# Altium PCB BB.PcbDoc (part 3 of 5) (continued)
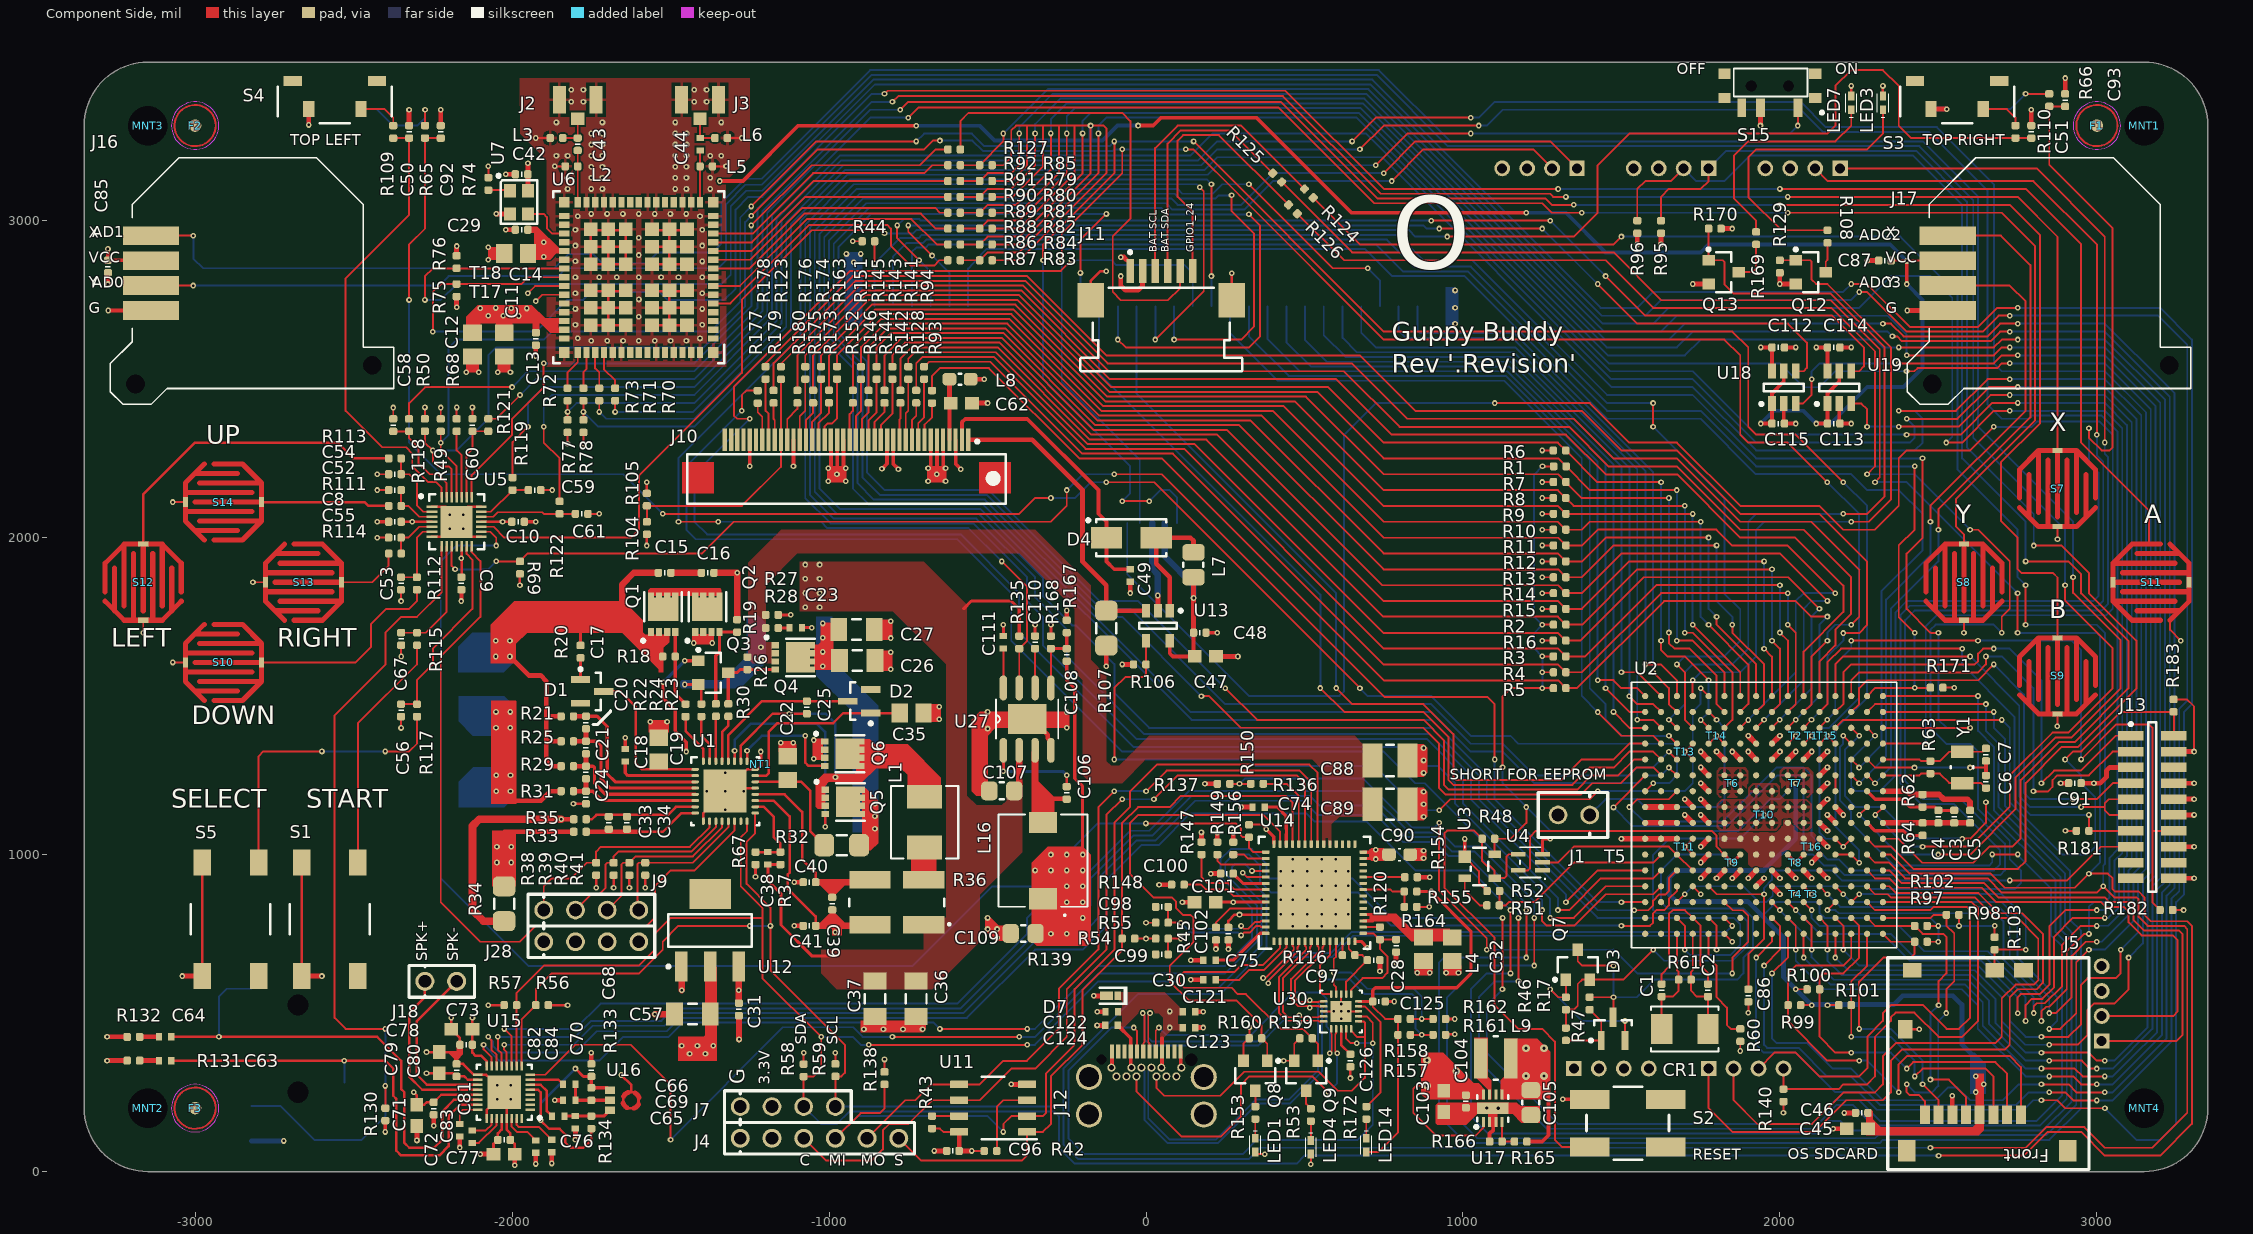
[diagram p0: Component Side view]
## Nets (pads, with @x,y where several pads share a name; then routed paths per layer and width w, separated by ;. In a path a pad name is that pad's centre, name@x,y a point inside that pad or via, vN(x,y) a via of type N, cw(c..) or ccw(c..) an arc to the next point about the centre after c; other vN are vias at no path point) (continued)
  Component Side w10: v1(-1523.52,1543.52) -1523.52,1493.76 -1485.16,1455.39 -1485.16,1389.68 -1450.33,1354.85 v1(-1450.33,1325) ; v1(-1455.63,1611.42) Q3.1@-1412.32,1611.42 ; NT1.1@-1215,1289.72 v1(-1215,1325) ; R27.2@-1160.35,1756.34 v1(-1120.83,1756.34) ; C23.1@-1085.32,1716.07 v1(-1054.69,1716.07) ; C111.1@-450,1689.37 v1(-450,1725) ; C110.1@-350,1689.37 v1(-350,1725) ; R168.2@-300,1689.37 v1(-300,1725) ; U3.1@1005.51,992.54 v1(1005.51,1049.41) ; U4.3@1251,1001.18 1251,1045 1256,1050 v1(1275,1050)
  Component Side w12: v1(-3275,2800) C85.1@-3275,2835.63 ; v1(-3274.02,2716.55) J16.4@-3139.75,2716.55 ; v1(-2425,2050) C8.1@-2389.37,2050 ; v1(-2160,1800) C9.1@-2160,1835.63 ; C10.1@-1961.38,2050 v1(-1925.75,2050) ; v1(-1250,2225) J10.36@-1250,2309.06 ; v1(-1112.2,2225) J10.29@-1112.2,2309.06 ; -994.09,2225 J10.23@-994.09,2309.06 ; -974.41,2225 J10.22@-974.41,2309.06 ; -954.72,2225 J10.21@-954.72,2309.06 ; v1(-833.05,2216.95) -816.93,2233.07 J10.14@-816.93,2309.06 ; J10.13@-797.24,2309.06 -797.24,2232.24 v1(-781.12,2216.12) ; -679.13,2225 J10.7@-679.13,2309.06 ; -659.45,2225 J10.6@-659.45,2309.06 ; -639.76,2225 J10.5@-639.76,2309.06 ; J10.3@-600.39,2309.06 -600.39,2232.24 v1(-584.27,2216.12) ; J12.B12@-107.17,327.64 J12.A1@-107.17,379.21 ; J12.B1@109.37,327.64 J12.A12@109.37,379.21 ; C48.1@189.29,1700 v1(224.72,1700) ; R166.2@1084.06,94.61 1084.06,119.65 1095.87,131.46 1095.87,148.23 ; v1(1315,227.97) S2.3@1400,227.97 ; C115.1@2012.28,2361.97 U18.2@2012.28,2422.64 ; C115.1@2014.25,2360 v1(2049.88,2360) ; C112.1@2014.37,2600 v1(2050,2600) ; U19.2@2187.4,2422.64 2187.4,2361.97 C113.1@2189.37,2360 v1(2225,2360) ; C114.1@2189.37,2600 v1(2225,2600)
  Component Side w15: v1(-3277.95,350) R131.2@-3214.37,350 ; v1(-3277.95,425) R132.2@-3214.37,425 ; v1(-3040.75,616.73) S5.4@-2977.17,616.73 ; S1.4@-2663.58,616.73 v1(-2600,616.73) ; v1(-2641.73,3301.97) S4.2@-2641.73,3351.97 ; C50.1@-2325,3300 v1(-2325,3350) ; v1(-2300.16,98.2) C71.1@-2300.16,143.77 ; v1(-2247.34,144.07) C72.1@-2247.34,179.07 ; C92.1@-2225,3300 v1(-2225,3350) ; v1(-2175,2726.44) R75.2@-2175,2760.63 ; R76.2@-2175,2889.37 v1(-2175,2920) ; v1(-2165,75.63) C83.1@-2165,110.63 ; v1(-2050,3021.44) U7.2@-2007.09,3021.44 ; v1(-2020,2971.44) C29.1@-1989.37,2971.44 ; v1(-2020,3146.44) C42.1@-1989.37,3146.44 ; v1(-1991.71,20) C77.1@-1991.71,55 ; v1(-1925,23.94) C82.1@-1925,58.94 ; v1(-1925,2572.87) C13.1@-1925,2607.07 ; v1(-1875,25.63) C84.1@-1875,60.63 ; v1(-1865,224.84) C69.2@-1839.37,224.84 ; v1(-1844.96,1111.42) R35.1@-1805.43,1111.42 ; v1(-1800,100.63) C70.2@-1800,135.63 ; C68.1@-1750,339.37 v1(-1750,374.37) ; v1(-668.31,65) C96.1@-628.94,65 ; C62.1@-545.28,2424.67 v1(-500,2424.67) ; v1(-425,275) U11.4@-375,275 ; U27.9@-327.5,1395 -310,1377.5 -310,1367.5 -300,1357.5 U27.4@-300,1329.07 ; v1(-164.69,554.21) D7.2@-124.76,554.21 ; v1(-154.45,461.06) C124.1@-128.82,461.06 ; v1(-153.74,504.21) C122.1@-128.11,504.21 ; v1(-125.08,1593.78) R107.2@-125.08,1659.25 ; v1(-80,2825.2) -80,2794.79 -65.31,2780.1 -24.9,2780.1 -10.71,2794.29 J11.2@-10.71,2841.54 ; v1(-75.08,1600) R106.2@-50.08,1600 ; v1(-50.08,1825) C49.1@-50.08,1860.63 ; R106.2@-40,1600 R106.2@-39.45,1600 ; U13.2@37.52,1769.49 v1(37.52,1817.4) ; v1(41.26,905.1) R148.1@80.63,905.1 ; v1(115,850) 152.95,850 C101.1@153.07,850.08 ; v1(141.26,604.77) C30.1@180.63,604.77 ; v1(141.26,667.01) C75.1@180.63,667.01 ; C123.1@155.31,454.21 v1(180.94,454.21) ; C121.1@155.31,504.21 v1(180.94,504.21) ; v1(185.91,1223.27) R137.1@225.28,1223.27 ; v1@208.07,940 C100.1@235.63,940 ; v1(220.63,702.01) R45.1@220.63,730.63 ; C47.1@224.72,1625 v1(290.2,1625) ; R149.1@225,1039.58 v1(225,1070) ; v1(260,702.01) C102.1@260,730.63 ; R156.1@275.35,1039.58 v1(275.35,1070) ; v1(300,1150) C74.1@335.63,1150 ; v1(737.95,631.57) C97.1@737.95,667.01 ; v1(789.13,657.17) C28.1@789.13,692.6 ; R154.2@856.06,928.6 v1(895.43,928.6) ; v1(1724.8,2800.2) Q13.2@1775,2800.2 ; R170.2@1814.37,2975 v1(1850,2975) ; v1(1938.5,3300) S15.2@1938.5,3356.7 ; R129.2@1999.8,2835.63 v1(1999.8,2800.2) Q12.2@2050,2800.2 ; v1(2167.87,135) C45.1@2210.94,135 ; v1(2202.87,185) C46.1@2238.5,185 ; v1(2275.98,2874.02) C87.1@2311.61,2874.02 ; v1(2401.55,2716.55) J17.4@2529.55,2716.55 ; S3.2@2476.38,3351.97 v1(2526.38,3351.97) ; J5.6@2543.7,179.17 v1(2543.7,239.17) ; C51.1@2793.11,3300 v1(2793.11,3350) ; v1(2885.33,1225.33) C91.1@2910.63,1225.33 ; C93.1@2900,3400 v1(2900,3450) ; J13.20@3242.91,925 v1(3306.75,925) ; J13.16@3242.91,1025 v1(3306.75,1025) ; J13.12@3242.91,1125 v1(3306.75,1125) ; J13.10@3242.91,1175 v1(3306.75,1175) ; J13.8@3242.91,1225 v1(3306.75,1225) ; J13.4@3242.91,1325 v1(3306.75,1325)
  Component Side w18: v1(1700,1125) U2.N9@1725,1100 ; v1(1700,1175) U2.N8@1725,1150 ; v1(1750,925) U2.M12@1775,950 ; v1(1750,975) U2.M11@1775,1000 ; v1(1750,1025) U2.M10@1775,1050 ; v1(1750,1125) U2.M9@1775,1100 ; v1(1750,1175) U2.M8@1775,1150 ; v1(1750,1225) U2.M7@1775,1200 ; v1(1750,1275) U2.M6@1775,1250 ; v1(1750,1325) U2.M5@1775,1300 ; v1(1800,925) U2.L12@1825,950 ; v1(1800,1325) U2.L5@1825,1300 ; v1(1850,925) U2.K12@1875,950 ; v1(1850,1325) U2.K5@1875,1300 ; v1(1900,925) U2.J12@1925,950 ; v1(1900,1325) U2.J5@1925,1300 ; v1(1900,1375) U2.J4@1925,1350 ; U2.J13@1925,900 v1(1950,925) ; U2.H13@1975,900 v1(2000,875) ; U2.H12@1975,950 v1(2000,925) ; U2.H5@1975,1300 v1(2000,1325) ; U2.H4@1975,1350 v1(2000,1375) ; U2.G12@2025,950 v1(2050,925) ; U2.G5@2025,1300 v1(2050,1325) ; U2.F12@2075,950 v1(2100,925) ; U2.F5@2075,1300 v1(2100,1325) ; v1(2100,975) U2.E11@2125,1000 ; U2.E12@2125,950 v1(2150,925) ; U2.E10@2125,1050 v1(2150,1025) ; U2.E9@2125,1100 v1(2150,1075) ; U2.E8@2125,1150 v1(2150,1175) ; U2.E7@2125,1200 v1(2150,1225) ; U2.E6@2125,1250 v1(2150,1275) ; U2.E5@2125,1300 v1(2150,1325) ; v1(2150,1125) U2.D9@2175,1100 ; U2.D8@2175,1150 v1(2200,1125)
  Component Side w20: v1(-1549.67,496.65) C57.1@-1487.2,496.65 ; v1(-1465,571.65) U12.1@-1465,646.1 ; v1(-1283.9,416.81) C31.1@-1283.9,491.26
  Component Side w25: R34.2@-2025.18,789.76 -2089.76,789.76 -2125,825 -2125,1090.06 -2103.64,1111.42 v1(-1844.96,1111.42)
  Solder Side w10: v1(-1523.52,1543.52) v1(-1455.63,1611.42)
  Solder Side w15: J19.1@-2822.64,96.46 v1(-2720.83,96.46) ; v1(-2641.73,3301.97) S6.1@-2641.73,3351.97 ; S16.1@2476.38,3351.97 v1(2526.38,3351.97)
  Solder Side w20: J8.3@19.68,2046.26 19.68,1901.48 37.52,1883.65 v1(37.52,1817.4)
  other v1: -890,448.54 -828.33,448.54 -766.67,448.54 -705,448.86 615.32,481.38 946.61,627.64 985.98,627.64 -470,737.5 -500,765 -470,765 -500,800 204.13,940 875.75,988.9 875.75,1012.52 875.75,1119.76 875.75,1159.13 875.75,1198.5 875.75,1257.56 875.75,1296.93 -1048.15,1302.36 875.75,1336.3 -1048.15,1361.42 -500,1397.5 -250,1400 -500,1450 -250,1450 -1002.46,2177.5 -947.44,2177.48 -632.48,2177.48 -687.5,2177.5 -974.96,2200 -660,2200 -1002.46,2219.33 -947.44,2219.33 -687.5,2219.33 -632.48,2219.33 -2145,2521.44 -2105.12,2521.44 -2045,2521.44 -2005.12,2521.44 -1750,2621.44 -1700,2621.44 -1650,2621.44 -1600,2621.44 -1550,2621.44 -1500,2621.11 -1450,2621.11 -1792.91,2628.85 -1407.09,2628.52 -1800,2671.44 -1400,2671.44 -1600,2696.44 -1800,2721.44 -1400,2721.44 -1599.9,2751.44 -1800,2771.44 -1400,2771.44 -1725,2821.44 -1670,2821.34 -1600,2821.44 -1475,2821.44 -1400,2821.44 -1800,2821.54 -1530,2821.54 -921.95,2868.63 -1400,2871.44 -1800,2871.54 -2075,2876.56 -1600.1,2891.44 -945,2895.04 -900,2895.04 -2075,2916.44 -1400,2921.44 -1800,2921.54 -1600,2946.44 -1400,2971.44 -1800,2971.54 -1792.91,3014.12 -1407.09,3014.35 -1750.33,3021.21 -1700.33,3021.21 -1650.33,3021.21 -1600.33,3021.21 -1550.33,3021.21 -1500.33,3021.21 -1450.33,3021.21 -1825,3100 -1750,3100 -1715,3100 -1485,3100 -1450,3100 -1375,3100 -1825,3135 -1750,3135 -1715,3135 -1485,3135 -1450,3135 -1375,3135 -1750,3170 -1715,3170 -1485,3170 -1450,3170 -1860,3205 -1825,3205 -1750,3205 -1715,3205 -1485,3205 -1450,3205 -1375,3205 -1340,3205 -1750,3240 -1715,3240 -1485,3240 -1450,3240 -1750,3275 -1715,3275 -1485,3275 -1450,3275 -1860,3310 -1715,3310 -1485,3310 -1340,3310 -1813.5,3375 -1775,3375 -1425,3375 -1386.5,3375 -1813.5,3413.5 -1775,3413.5 -1425,3413.5 -1386.5,3413.5
  other v2: 463.35,773.31 508.62,773.31 553.9,773.31 599.17,773.31 424.96,811.69 463.35,811.69 508.62,811.69 553.9,811.69 599.17,811.69 637.56,811.69 424.96,856.97 463.35,856.97 508.62,856.97 553.9,856.97 599.17,856.97 637.56,856.97 424.96,902.24 463.35,902.24 508.62,902.24 553.9,902.24 599.17,902.24 637.56,902.24 424.96,947.52 463.35,947.52 508.62,947.52 553.9,947.52 599.17,947.52 637.56,947.52 463.35,985.91 508.62,985.91 553.9,985.91 599.17,985.91
  other v3: 1075,200 1111.22,199.61
  other v5: -2046.83,228.51 -2003.52,228.51 -2046.83,271.81 -2003.52,271.81
  other v6: -2196.65,2028.35 -2153.35,2028.35 -2196.65,2071.65 -2153.35,2071.65
GPIO0: J6.17 U2.T4 | length 2687.8
  Component Side w6: v1(600,1525.39) 650.73,1474.67 875.41,1474.67 970,1380.08 970,1244.43 979.43,1235 1310,1235 1375.33,1300.33 1475,1300.33 1524.66,1350 U2.T4@1575,1350
  Solder Side w6: J6.17@-29.63,2730 -29.63,2454.63 600,1825 v1(600,1525.39)
GPIO1: J6.18 U2.P5 | length 6119.9
  Component Side w6: v1(-88.68,2625) -63.68,2600 325,2600 360,2635 360,2984.7 v1(324.7,3020) ; v1(1650,1324.67) U2.P5@1675,1299.67
  Solder Side w6: v1@-88.68,2623.6 v1(-88.68,2625) J6.18@-88.68,2730 ; v1(324.7,3020) 68.35,3020 48.35,3040 -872.75,3040 -985.2,2927.55 -985.2,2638.71 -895,2548.51 -895,2190 -840,2135 -502.72,2135 -142.72,1775 -49.93,1775 250.07,1475 900,1475 1025.33,1349.67 1125.04,1349.67 1224.7,1250 1525,1250 1550,1275 1600.33,1275 v1(1650,1324.67)
GPIO2: J6.19 U2.R5 | length 2828.4
  Component Side w6: v1(550,1525.39) 625.39,1450 875,1450 955,1370 955,1234.43 969.43,1220 1345,1220 1399.67,1274.67 1475,1274.67 1525.33,1325 1600,1325 U2.R5@1625,1300
  Solder Side w6: J6.19@-147.74,2730 -147.74,2517.74 550,1820 v1(550,1525.39)
GPIO3: J6.20 U2.T5 | length 4954.1
  Component Side w6: v1(-206.79,2835.16) -206.79,2939.18 v1(-124.76,3021.21) ; v1(250,1525) 350.33,1424.67 875.77,1424.67 940,1360.43 940,1220 955.08,1204.92 1360.26,1204.92 1405.33,1250 1490,1250 1540,1300 U2.T5@1575,1300
  Solder Side w6: J6.20@-206.79,2730 v1(-206.79,2835.16) ; v1(-124.76,3021.21) -866.54,3021.21 -970,2917.75 -970,2645 -880,2555 -880,2205.08 -825,2150.08 -496.31,2150.08 -146.23,1800 -25,1800 v1(250,1525)
GPIO4: J22.1 U2.P6 | length 6397.9
  Component Side w6: v1(750,3150) 850,3250 1275,3250 J22.1@1360,3165 ; v1(1650,1274.67) U2.P6@1675,1249.67
  Solder Side w6: v1(750,3150) 400,3150 300,3050 100,3050 80,3070 -892.59,3070 -1015.2,2947.4 -1015.2,2626.28 -925,2536.08 -925,2155 -875,2105 -515.15,2105 139.85,1450 900,1450 1025,1325 1125.15,1325 1224.7,1225.44 1550.78,1225.44 1575.33,1250 1625.33,1250 v1(1650,1274.67)
GPIO5: J22.2 U2.R6 | length 6313.9
  Component Side w6: v1(175,1500) 199.37,1500 299.26,1400.11 875.24,1400.11 925,1350.35 925,1210 944.84,1190.16 1372.74,1190.16 1407.58,1225 1498.35,1225 1548.35,1275 1600,1275 U2.R6@1625,1250 ; v1(775,3125) 874.9,3224.9 1221.36,3224.9 J22.2@1281.26,3165
  Solder Side w6: v1(175,1500) -75,1750 -138.27,1750 -508.27,2120 -858.42,2120 -910,2171.57 -910,2542.96 -999.72,2632.69 -999.72,2937.87 -882.59,3055 63.33,3055 83.33,3035 310,3035 400,3125 v1(775,3125)
GPIO6: J23.1 U2.T6 | length 5475.3
  Component Side w6: v1(1475,1148.74) 1475,1150 U2.T6@1575,1250 ; J23.1@2190,3165 2809.67,3165 3025,2949.67 v1(3025,2300.17)
  Solder Side w6: v1(1475,1148.74) 1533.74,1090 1832.12,1090 1992.12,1250 2060,1250 2074.33,1235.67 2074.33,1010.67 2085,1000 2105,1000 2140.05,964.95 2175.08,964.95 2205.03,935 2695,935 2710,950 2710,1034.8 2570.12,1174.69 2451.72,1174.69 2395,1231.41 2395,1740 2425.08,1770.08 3015.08,1770.08 3035,1790 3035,2255 3025,2265 v1(3025,2300.17)
GPIO7: J23.2 U2.P7 | length 5454.8
  Component Side w6: v1(1525,1150) 1549.59,1174.59 1649.59,1174.59 U2.P7@1675,1200 ; J23.2@2111.26,3165 2151.26,3125 2800,3125 3000,2925 v1(3000,2325)
  Solder Side w6: v1(1525,1150) 1570,1105 1818.94,1105 1989.27,1275.33 2074.33,1275.33 2099.67,1250 2099.67,1060 2125,1034.67 2125,1009.98 2149.98,985 2185.31,985 2220.31,950 2675,950 2695,970 2695,1014.14 2550,1159.14 2446.31,1159.14 2380,1225.44 2380,1755 2410,1785 3004.67,1785 3020,1800.33 3020,2240 3000,2260 v1(3000,2325)
GPIO_INT_N: R69.2 U2.T14 U5.10 | length 4719.8
  Component Side w6: U5.10@-2190.75,1972.24 -2190.75,1910.75 v1(-2180,1900) ; v1@-2050,1925 R69.2@-1975.18,1925 -1950.18,1950 -1400,1950 -1300,2050 -300.37,2050 -250.08,2100.3 v1(-250.08,2150.08) ; v1(-100.16,2200) 49.75,2200 752.04,1497.72 1076.54,1497.72 1100,1474.25 v1(1100,1300.02) ; v1(1500,850) U2.T14@1575,850
  Solder Side w6: v1(-2180,1900) -2075,1900 v1(-2049.95,1925.05) ; v1(-250.08,2150.08) -200.16,2200 v1(-100.16,2200) ; v1(1100,1300.02) 1100,1174.89 1424.89,850 v1(1500,850)
HIDRV: Q5.4 U1.27 | length 723.7
  Component Side w8: U1.27@-1298.15,1294.49 v1(-1298.15,1327.95) ; v1(-1012.13,1088.19) Q5.4@-1012.13,1128.15
  Solder Side w8: v1(-1298.15,1327.95) -1298.15,1361.85 -1247.58,1412.42 -1037.42,1412.42 -1012.13,1387.13 v1(-1012.13,1088.19)
HP_DETECT_N: J19.4 R130.2 U5.8 | length 2674
  Component Side w6: R130.2@-2400,200 v1(-2400,270) ; v1(-2400,450) -2525,450 -2560,485 -2560,1439.69 -2400,1599.69 -2400,1700.31 -2350.31,1750 -2300,1750 -2222.24,1827.76 U5.8@-2222.24,1972.24
  Solder Side w6: J19.4@-2822.64,206.69 -2730.53,206.69 -2623.84,100 -2475,100 -2400,175 v1(-2400,270) v1(-2400,450)
HSRN: C39.1 C41.1 R36.4 U1.19 | length 513.7
  Component Side w8: U1.19@-1233.19,1170.47 -1175,1170.47 -1124.68,1120.16 -1124.68,942.68 -1130.83,936.54 -1130.83,893.39 -1042.13,804.69 C41.1@-1042.13,775.12
  other v1: -980,755.43
HSRP: C39.2 C40.1 R36.3 U1.20 | length 410.8
  Component Side w8: U1.20@-1233.19,1190.16 -1140.31,1190.16 -1085,1134.84 -1085,985 -1042.13,942.13 C40.1@-1042.13,912.91
I2C0_SCL: J6.21 J8.4 R50.2 U2.C10 U2.D10 U5.26 | length 8672.1
  Component Side w6: R50.2@-2275,2335.63 -2275,2300 v1(-2250,2275) -2249,2274 -2249,2240 -2234,2225 -2200,2225 -2190.75,2215.75 U5.26@-2190.75,2127.76 ; v1(-1245,3015.66) -1035.76,3224.9 -700.1,3224.9 -672.28,3252.72 v1(-650,3252.72) ; v1(-265.85,2875) -265.85,2958.87 -74.78,3149.95 v1(-74.78,3224.9) ; v1(125,3225) 149.73,3225 295,3079.73 295,3080 750,2625 1425,2625 1825,2625 1875,2575 1875,2325 1900,2300 2024.67,2300 v1(2149.67,2175) ; U2.D10@2175,1050 v1(2200,1025) U2.C10@2225,1050
  Solder Side w6: v1(-2250,2275) -2175,2275 -2075,2375 -2075,2575.31 -2050.32,2600 -1395.2,2600 -1265,2730.2 -1265,2995.66 v1(-1245,3015.66) ; v1(-650,3252.72) -547.72,3252.72 -515,3220 -104.98,3220 -100.08,3224.9 v1(-74.78,3224.9) -74.68,3225 v1(125,3225) ; v1(-265.85,2875) J6.21@-265.85,2730 -265.85,2491.17 -19.69,2245.01 J8.4@-19.69,2046.26 ; 2124.67,1070 2144.67,1050 2175,1050 v1(2200,1025) ; 2125,1070 2125,1390 2135,1400 2155.03,1400 2250,1494.97 2250,2074.67 v1(2149.67,2175)
I2C0_SDA: J6.22 J8.1 R49.2 U2.C11 U2.D11 U5.25 | length 9008.1
  Component Side w6: R49.2@-2225,2335.32 v1(-2225,2299.67) -2225,2275 -2175,2225 U5.25@-2175,2127.76 ; v1(-1245,3045) -1040,3250 v1(-725,3250) ; v1(-324.9,2875) -324.9,2925.1 -100,3150 v1@-100,3250 ; v1(-74.78,2115) v1(10,2115) ; v1(150,3250) 750,2650 1425,2650 1850,2650 1900,2600 1900,2350 1925,2325 2050,2325 v1(2200,2175) ; U2.D11@2175,1000 2224.41,1000 v1(2250,974.41)
  Solder Side w6: v1(-2225,2299.67) -2200.28,2324.39 -2200.28,2599.72 -2175,2625 -1900,2625 -1875,2650 -1374.68,2650 -1280,2744.69 -1280,3010 v1(-1245,3045) ; v1(-725,3250) -700.08,3274.92 -549.57,3274.92 -509.65,3235 -115.08,3235 v1(-100.08,3250) v1(150,3250) ; v1(-324.9,2875) J6.22@-324.9,2730 -324.9,2500.22 -50.08,2225.4 -50.08,2139.7 v1(-74.78,2115) ; v1(10,2115) 45.08,2150.08 74.92,2150.08 98.43,2126.57 J8.1@98.43,2046.26 ; v1(2200,2175) 2275,2100 2275,1495 2175.08,1395.08 2175.08,1089.35 2192.01,1072.42 2250,1014.43 v1(2250,974.41)
I2C2_SCL: J21.1 R95.2 U2.B10 | length 4268.3
  Component Side w6: R95.2@1625,3000 1625,3075 1650,3100 1750,3100 1775,3125 J21.1@1775,3165 ; U2.B10@2275,1050 2300,1025 2351.18,1025 2421.18,955 2750.59,955 2775,979.41 2775,1225.35 2889.65,1340 2941.02,1340 3125,1523.98 3125,1675 2975,1825 2975,1889.25 2889.25,1975 v1(2800.75,1975)
  Solder Side w6: J21.1@1775,3165 1830,3220 2430,3220 2590,3060 2590,2285.3 2800.75,2074.55 v1(2800.75,1975)
I2C2_SDA: J21.2 R96.2 U2.A10 | length 4228.5
  Component Side w6: R96.2@1550,3000 1550,3100 1575,3125 1656.26,3125 J21.2@1696.26,3165 ; U2.A10@2325,1050 2373.09,1050 2448.84,974.25 2609.59,974.25 2660.33,1025 2732.5,1025 2759.67,1052.17 2759.67,1235 2879.67,1355 2930.16,1355 3099.33,1524.17 3099.33,1674.67 2950,1824 2950,1885 2910,1925 v1(2775,1925)
  Solder Side w6: J21.2@1696.26,3165 1736.26,3125 1825,3125 1905,3205 2420,3205 2575,3050 2575,2249.73 2775,2049.73 v1(2775,1925)
I2C_USB_IRQ_N: R150.2 U5.16 U14.43 | length 4279.6
  Component Side w6: U5.16@-2097.24,2018.5 -2068.5,2018.5 -2050,2000 v1(-2050,1975) ; v1(-0.08,1098.27) 282.8,1098.27 300,1081.06 300,1060 305,1055 R150.2@325,1055 325,1020.91 338.35,1007.56 U14.43@377.72,1007.56
  Solder Side w6: v1(-2050,1975) -2175.6,1975 -2225,1925.6 -2225,925 -1948.11,648.11 -736.89,648.11 -485.36,899.64 -318.91,899.64 -275,943.54 -275,959.37 -259.37,975 -239.8,975 -226,988.8 -226,1024 -151.73,1098.27 v1(-0.08,1098.27)
LCD_AC_BIAS_EN: R123.1 U2.E1 | length 4285.4
  Component Side w6: R123.1@-1151.57,2539.37 -1151.57,2548.8 -905.1,2795.28 -387.31,2795.28 -117.04,2525 624.56,2525 799.95,2349.61 1335.39,2349.61 1460.74,2224.26 1675.89,2224.26 1875.15,2025 2075,2025 2224.67,1875.33 2224.67,1759.21 2175.24,1709.78 2175.24,1660.28 2125,1610.04 U2.E1@2125,1500
LCD_DATA0: R5.2 R93.1 U2.G3 | length 3836.8
  Component Side w6: R93.1@-675,2464.04 -675,2510 -650,2535 -495.62,2535 -210.62,2250 49.56,2250 749.99,1549.57 1300.43,1549.57 R5.2@1325,1525 1359.67,1525 1634.67,1800 2050.1,1800 2099.05,1751.05 v1(2149.96,1751.05) ; U2.G3@2024.67,1400 v1(2049.67,1425)
  Solder Side w6: v1(2049.67,1425) 2124.67,1500 2124.67,1725.75 v1(2149.96,1751.05)
LCD_DATA1: R4.2 R94.1 U2.G2 | length 3636.3
  Component Side w6: R94.1@-700,2539.37 -684.37,2555 -490.62,2555 -200.62,2265 84.56,2265 749.22,1600.34 1299.81,1600.34 R4.2@1325,1575.15 1375.28,1575.15 1624.97,1824.84 v1(2024.98,1824.84) ; U2.G2@2025,1450 2050,1475 2050,1699.5 2024.98,1724.52 v1(2024.98,1724.83)
  Solder Side w6: v1(2024.98,1724.83) v1(2024.98,1824.84)
LCD_DATA2: R3.2 R128.1 U2.G1 | length 3663.6
  Component Side w6: R128.1@-725,2464.37 -725,2550 -705,2570 -480.63,2570 -190.62,2280 120.01,2280 750.01,1650 1299.9,1650 R3.2@1324.57,1625.33 1385.52,1625.33 1610.19,1850 v1(1999.98,1850) ; v1(1999.98,1700.46) 2025,1675.44 U2.G1@2025,1500
  Solder Side w6: v1(1999.98,1700.46) v1(1999.98,1850)
LCD_DATA3: R16.1 R141.1 U2.H3 | length 3847.5
  Component Side w6: R141.1@-750,2539.37 -750,2565 -730,2585 -474.41,2585 -184.41,2295 153.53,2295 749.54,1699 1300.57,1699 R16.1@1324.57,1675 1370,1675 1570,1875 2025.71,1875 v1(2124.67,1776.05) ; U2.H3@1974.67,1400 v1(1999.67,1425)
  Solder Side w6: v1(1999.67,1425) 2100,1525.33 2100,1751.38 v1(2124.67,1776.05)
LCD_DATA4: R2.2 R142.1 U2.H2 | length 3770.6
  Component Side w6: R142.1@-775,2464.37 -775,2564.8 -739.57,2600.24 -468.1,2600.24 -176.92,2309.06 190.8,2309.06 748.8,1751.05 1299.27,1751.05 R2.2@1325,1725.32 1375.64,1725.32 1550.32,1900 v1(1975,1900) ; U2.H2@1975,1450 2000,1475 2000,1650 v1(1975,1675)
  Solder Side w6: v1(1975,1675) v1(1975,1900)
LCD_DATA5: R15.1 R143.1 U2.H1 | length 3647.7
  Component Side w6: R143.1@-800.24,2539.37 -800.24,2574.72 -759.96,2615 -461.99,2615 -171.99,2325 224.75,2325 749.75,1800 1300,1800 R15.1@1325,1775 1375.28,1775 1525.28,1925 v1(1950,1925) ; v1(1950,1649.67) 1975,1624.67 U2.H1@1975,1500
  Solder Side w6: v1(1950,1649.67) v1(1950,1925)
LCD_DATA6: R14.1 R144.1 U2.J3 | length 4078.7
  Component Side w6: R144.1@-825,2464.37 -825,2575.24 -770.24,2630 -455.77,2630 -165.77,2340 254.91,2340 745.28,1849.64 1300.2,1849.64 R14.1@1325,1824.84 1375.12,1824.84 1499.97,1949.69 2000.65,1949.69 v1(2150,1800.33) ; U2.J3@1925,1400 v1(1950,1425)
  Solder Side w6: v1(1950,1425) 2075.08,1550.08 2075.08,1775.75 2099.67,1800.33 v1(2150,1800.33)
LCD_DATA7: R13.1 R145.1 U2.J2 | length 3687.7
  Component Side w6: R145.1@-850,2539.37 -850,2600 -805,2645 -449.56,2645 -159.56,2355 294.34,2355 749.54,1899.8 1300.2,1899.8 R13.1@1325,1875 1374.84,1875 1475.27,1975.43 v1(1800,1975.43) ; v1(1850,1724.83) 1850,1700 1950,1600 1950,1475 U2.J2@1925,1450
  Solder Side w6: v1(1800,1975.43) 1800,1800 1850,1750 v1(1850,1724.83)
LCD_DATA8: R12.1 R146.1 U2.J1 | length 3708.5
  Component Side w6: R146.1@-875,2464.37 -875,2600 -815,2660 -443.35,2660 -153.35,2370 329.56,2370 749.56,1950 1299.57,1950 R12.1@1324.57,1925 1375.64,1925 1450.93,2000.3 v1(1775,2000.3) ; v1(1800,1750) 1800,1725.32 1925,1600.32 U2.J1@1925,1500
  Solder Side w6: v1(1775,2000.3) 1775,1775 v1(1800,1750)
LCD_DATA9: R11.1 R151.1 U2.K3 | length 4168.2
  Component Side w6: R151.1@-899.13,2539.37 -899.13,2600.87 -825,2675 -437.13,2675 -147.13,2385 364.56,2385 749.89,1999.67 1300.77,1999.67 R11.1@1325,1975.43 1375.72,1975.43 1425.72,2025.43 1799.57,2025.43 1850,1975 2024.84,1975 v1(2175,1824.84) ; U2.K3@1875,1399.67 v1(1900,1424.67)
  Solder Side w6: v1(1900,1424.67) 2050,1574.67 2050,1800.33 2074.5,1824.84 v1(2175,1824.84)
LCD_DATA10: R10.1 R152.1 U2.K2 | length 3806.5
  Component Side w6: R152.1@-925,2464.37 -925,2600 -835,2690 -430.92,2690 -140.92,2400 399.56,2400 749.56,2050 1299.57,2050 R10.1@1324.57,2025 1374.84,2025 1399.84,2050 v1(1750,2050) ; v1(1775,1724.83) 1900.41,1599.42 1900.41,1475.41 U2.K2@1875,1450
  Solder Side w6: v1(1750,2050) 1750,1749.83 v1(1775,1724.83)
LCD_DATA11: R9.1 R163.1 U2.K1 | length 3687
  Component Side w6: R163.1@-975,2539.7 -975,2575.3 -845.3,2705 -424.71,2705 -134.71,2415 434.56,2415 749.26,2100.3 1299.84,2100.3 R9.1@1325,2075.14 1325.47,2074.67 v1(1724.64,2074.67) ; v1(1724.64,1725) 1875,1574.64 U2.K1@1875,1500
  Solder Side w6: v1(1724.64,1725) v1(1724.64,2074.67)
LCD_DATA12: R8.1 R173.1 U2.L3 | length 3914.3
  Component Side w6: R173.1@-1000,2464.7 -1000,2574.78 -854.78,2720 -418.49,2720 -128.49,2430 469.56,2430 749.56,2150 1299.57,2150 R8.1@1324.57,2125 1349.27,2100.3 v1(1700,2100.3) ; v1(1700,1700) 1725,1700 1850,1575 1850,1425 U2.L3@1825,1400
  Solder Side w6: v1(1700,1700) v1(1700,2100.3)
LCD_DATA13: R7.1 R174.1 U2.L2 | length 3805
  Component Side w6: R174.1@-1025,2539.7 -1025,2575.34 -865.33,2735 -412.28,2735 -122.28,2445 504.56,2445 749.56,2200 1300.33,2200 R7.1@1325,2175.33 1375.33,2125 v1(1650,2125) ; v1(1650,1700.46) 1650,1667.11 1667.44,1649.67 1715.33,1649.67 1800,1565 1800,1475 U2.L2@1825,1450
  Solder Side w6: v1(1650,1700.46) v1(1650,2125)
LCD_DATA14: R1.2 R175.1 U2.L1 | length 3897.7
  Component Side w6: R175.1@-1050,2464.7 -1050,2575.37 -875.37,2750 -406.07,2750 -116.07,2460 539.56,2460 749.56,2250 1300.47,2250 R1.2@1325.47,2225 1400.47,2150 v1(1674.8,2150) ; v1(1674.8,1675) 1724.64,1675 1825,1574.64 U2.L1@1825,1500
  Solder Side w6: v1(1674.8,1675) v1(1674.8,2150)
LCD_DATA15: R6.1 R176.1 U2.M3 | length 3948.9
  Component Side w6: R176.1@-1075,2539.7 -1075,2575.37 -885.37,2765 -399.85,2765 -109.85,2475 574.56,2475 749.56,2300 1299.57,2300 R6.1@1324.57,2275 1424.23,2175.33 v1@1625,2175.33 ; v1(1625,1675) 1625,1645 1644.67,1625.33 1699.67,1625.33 v1(1775,1550) ; v1(1750,1424.67) U2.M3@1775,1399.67
  Solder Side w6: v1(1625,1675) v1(1625,2175) ; v1(1750,1424.67) 1775,1449.67 v1(1775,1550)
LCD_ENABLE: R177.1 U2.R13 | length 4323.5
  Component Side w6: v1(-1275,2400) -1275,2450 -1260.96,2464.04 R177.1@-1225,2464.04 ; v1(1250,825) 1250,789.96 1263.78,776.18 1351.1,776.18 1449.92,875 1600,875 U2.R13@1625,900
  Solder Side w6: v1(-1275,2400) -1450.33,2224.67 -1450.33,2025 -1420.1,1994.77 -594.77,1994.77 -425,1825 -425,1674.79 -75.21,1325 750.02,1325 850.02,1225 880.2,1225 1250,855.2 v1(1250,825)
LCD_HSYNC: R179.1 U2.F2 | length 4547.1
  Component Side w6: R179.1@-1175,2464.37 -1175,2550.37 -915.37,2810 -381.21,2810 -121.21,2550 649.56,2550 824.56,2375 1349.71,2375 1474.71,2250 1675,2250 1875,2050 2099.33,2050 2250.63,1898.7 ; U2.F2@2075,1450 2100,1475 2100,1625 v1(2150,1675) ; v1(2225,1725) 2250.33,1750.33 2250.33,1898.41
  Solder Side w6: v1(2150,1675) 2150,1700.29 2174.71,1725 v1(2225,1725)
LCD_PCLK: R180.1 U2.F1 | length 4282.1
  Component Side w6: R180.1@-1100,2464.37 -1100,2575.37 -895.28,2780.1 -393.6,2780.1 -113.83,2500.33 599.68,2500.33 775.01,2325 1325,2325 1450.47,2199.53 1675.48,2199.53 1874.71,2000.3 2048.41,2000.3 2200,1848.71 2200,1765.63 2075,1640.63 U2.F1@2075,1500
LCD_TOUCH_INT_N: J11.5 R127.2 | length 1502.7
  Component Side w6: R127.2@-585.63,3224.9 -585.63,3314.37 -560,3340 -75.21,3340 -49.09,3313.88 -49.09,3005.98 -105,2950.08 -105,2775 -79.02,2749.02 69.02,2749.02 107.4,2787.4 J11.5@107.4,2841.54
LCD_TOUCH_RESET_N: J11.6 R126.2 | length 878.6
  Component Side w6: J11.6@146.77,2841.54 146.77,3028.21 100,3074.98 100,3252.72 117.28,3270 229.8,3270 R126.2@449.8,3050
LCD_TOUCH_SCL: J11.3 R124.2 | length 970.9
  Component Side w6: J11.3@28.66,2841.54 28.66,3228.66 100,3300 300,3300 R124.2@500,3100